# KiCad board CawDrive_panel.kicad_pcb
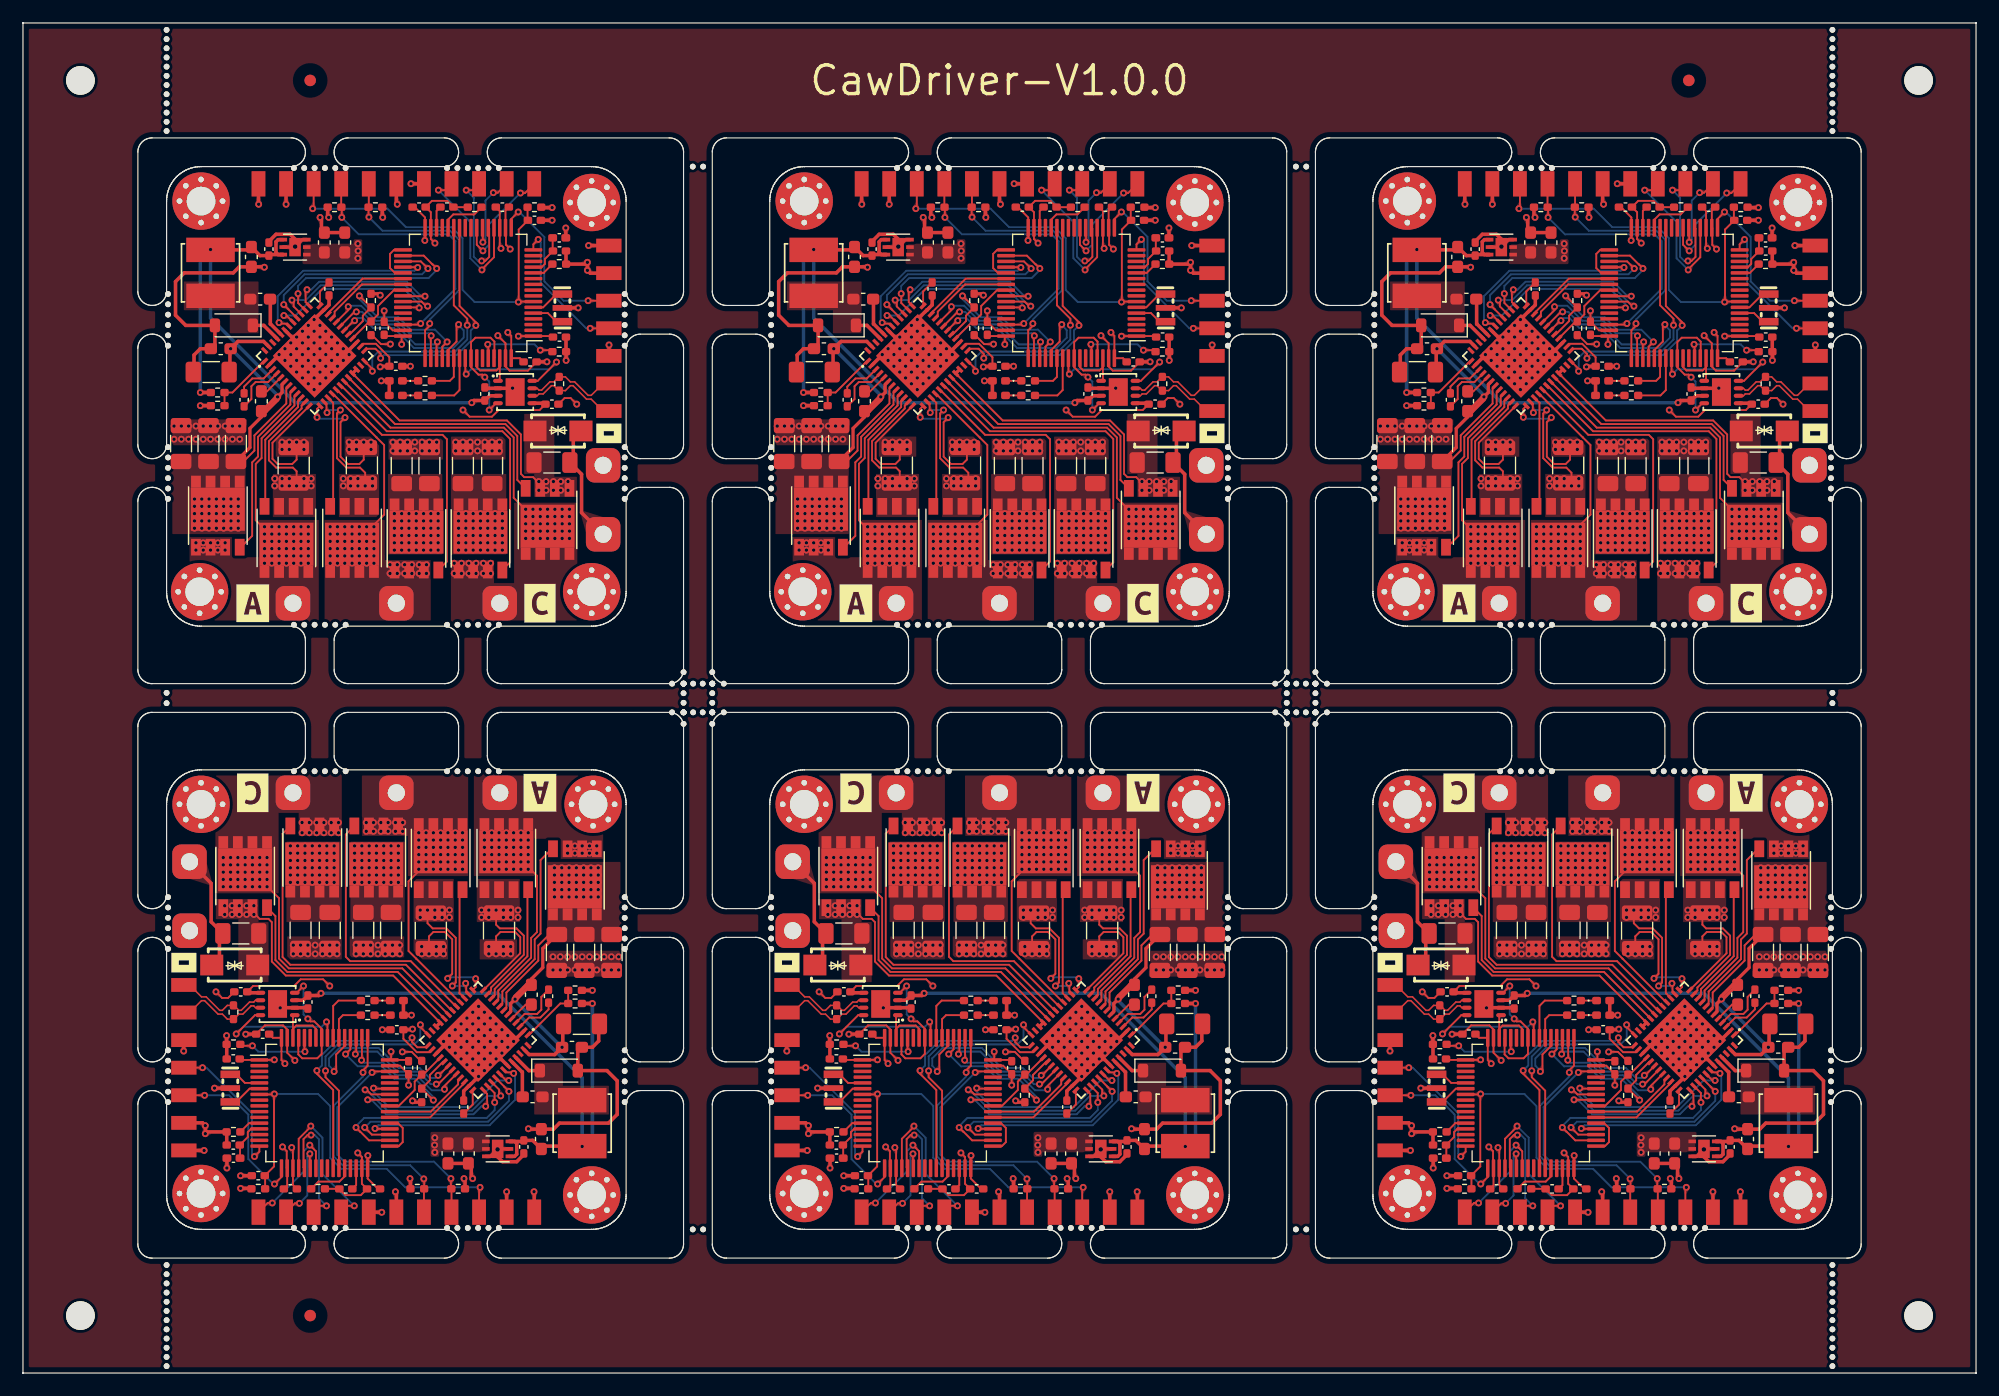
[diagram p0: board, top side]
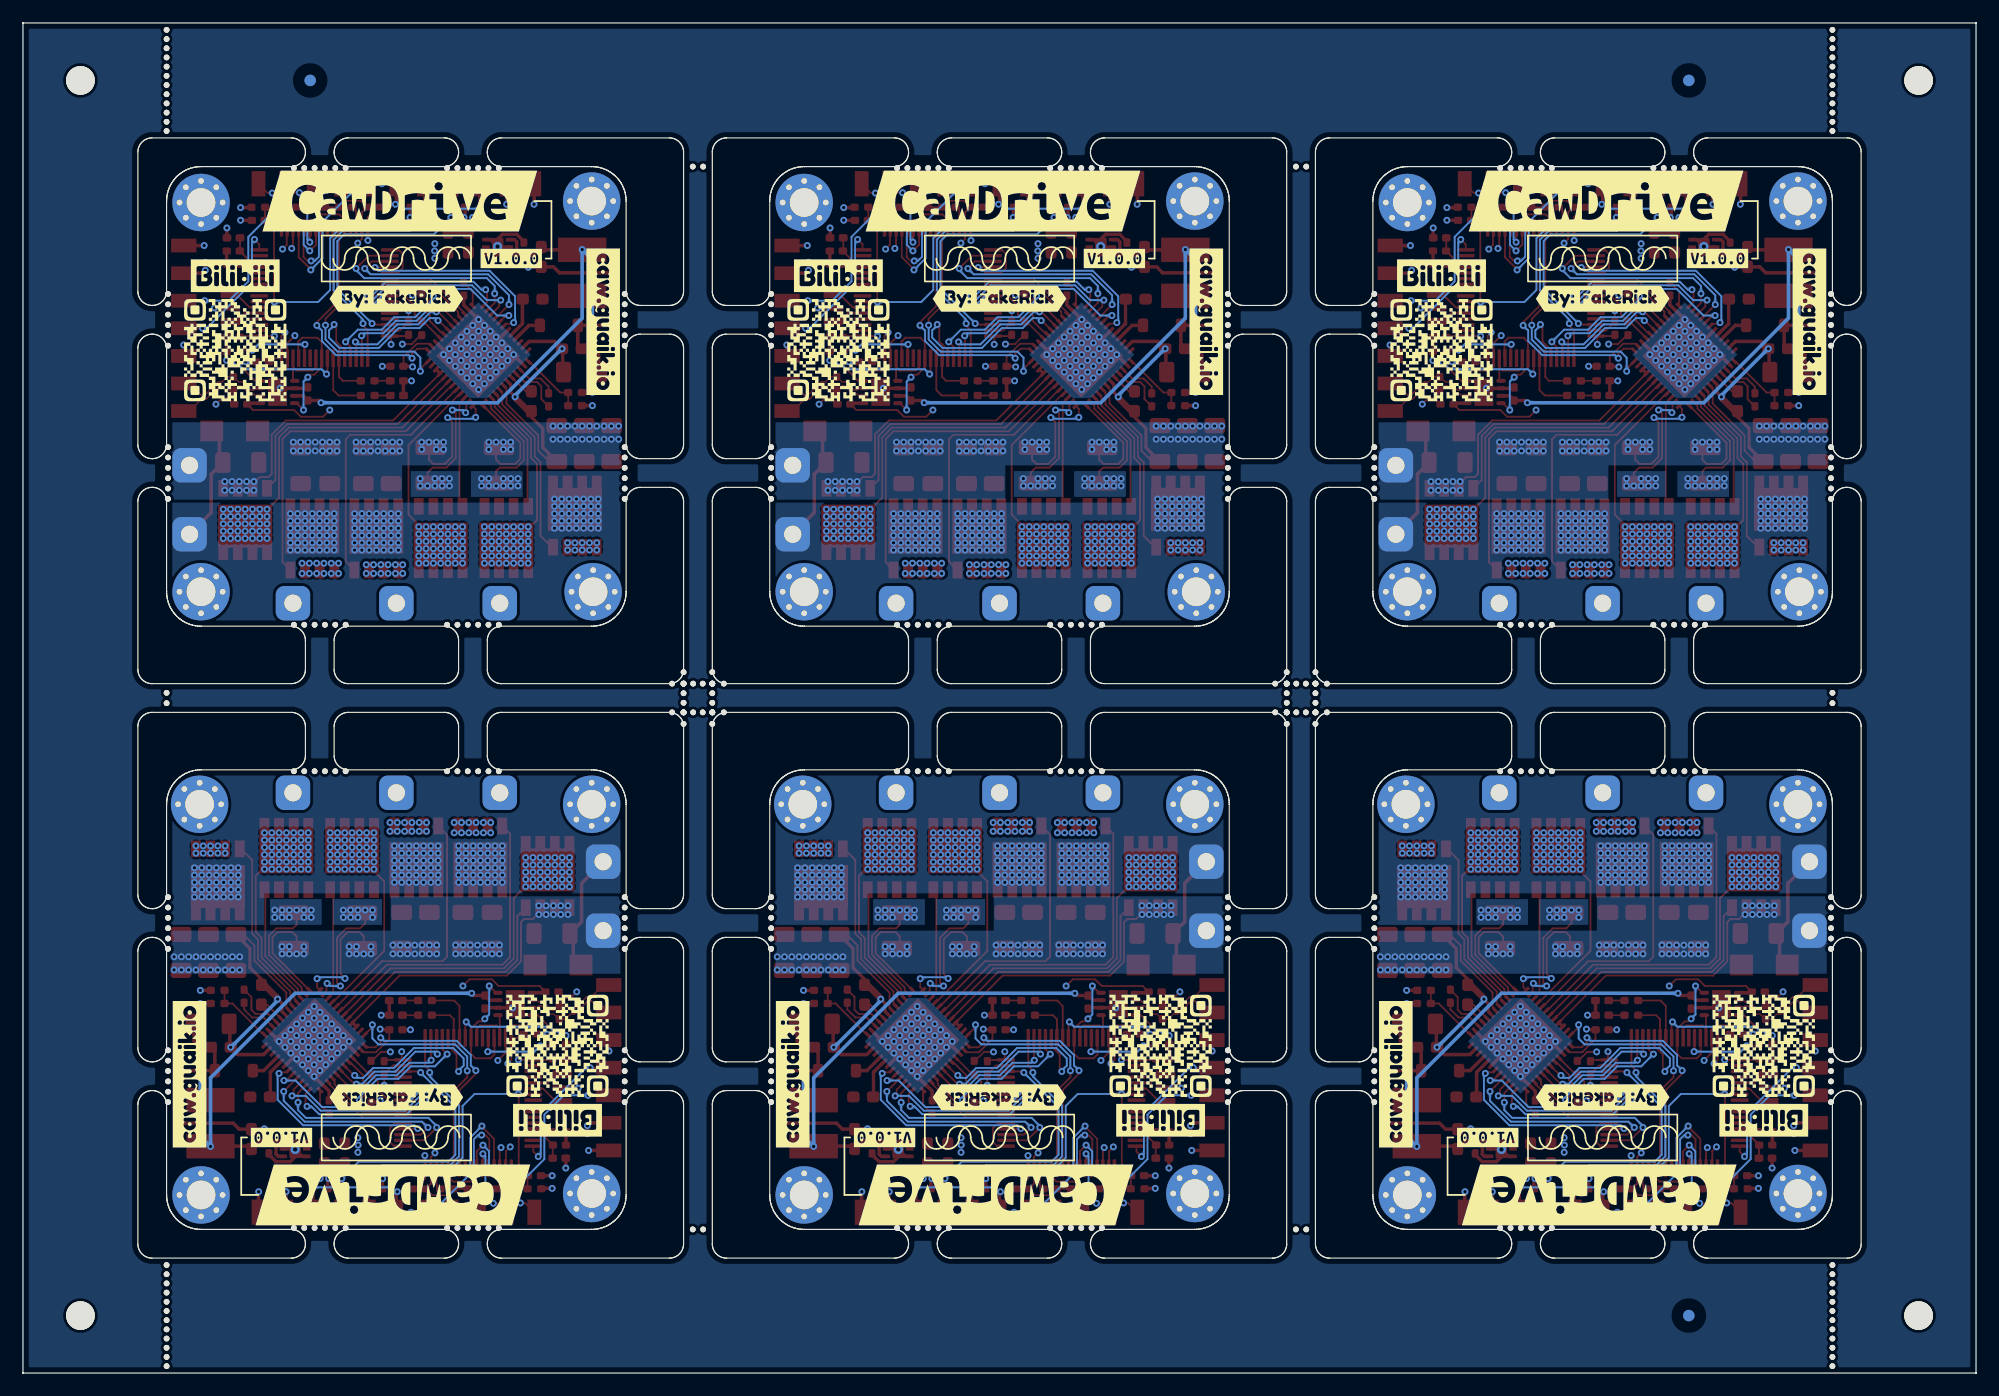
[diagram p1: board, bottom side, seen from below]

Outline 170 x 117.5 mm; copper layers: Top, In1.Cu, In2.Cu, Bottom. Coordinates in mm from the lower left corner of the outline.
Stack: Top 0.035mm / dielectric 0.1mm FR4 er 4.5 / In1.Cu 0.035mm / dielectric 1.24mm FR4 er 4.5 / In2.Cu 0.035mm / dielectric 0.1mm FR4 er 4.5 / Bottom 0.035mm

## Placement (name value [footprint] x y rotation side)
C1  2.2uF  [C_0402_1005Metric_Pad0.74x0.62mm_HandSolder]  141.9 101.48 0 top
C1#2  2.2uF  [C_0402_1005Metric_Pad0.74x0.62mm_HandSolder]  80.6 16.02 180 top
C1#3  2.2uF  [C_0402_1005Metric_Pad0.74x0.62mm_HandSolder]  133.1 16.02 180 top
C1#4  2.2uF  [C_0402_1005Metric_Pad0.74x0.62mm_HandSolder]  28.1 16.02 180 top
C1#5  2.2uF  [C_0402_1005Metric_Pad0.74x0.62mm_HandSolder]  89.4 101.48 0 top
C1#6  2.2uF  [C_0402_1005Metric_Pad0.74x0.62mm_HandSolder]  36.9 101.48 0 top
C2  0.1uF  [C_0402_1005Metric_Pad0.74x0.62mm_HandSolder]  46.7 90.16 0 top
C2#2  0.1uF  [C_0402_1005Metric_Pad0.74x0.62mm_HandSolder]  123.3 27.34 180 top
C2#3  0.1uF  [C_0402_1005Metric_Pad0.74x0.62mm_HandSolder]  18.3 27.34 180 top
C2#4  0.1uF  [C_0402_1005Metric_Pad0.74x0.62mm_HandSolder]  151.7 90.16 0 top
C2#5  0.1uF  [C_0402_1005Metric_Pad0.74x0.62mm_HandSolder]  99.2 90.16 0 top
C2#6  0.1uF  [C_0402_1005Metric_Pad0.74x0.62mm_HandSolder]  70.8 27.34 180 top
C3  0.1uF  [C_0402_1005Metric_Pad0.74x0.62mm_HandSolder]  41.72 101.48 0 top
C3#2  0.1uF  [C_0402_1005Metric_Pad0.74x0.62mm_HandSolder]  128.28 16.02 180 top
C3#3  0.1uF  [C_0402_1005Metric_Pad0.74x0.62mm_HandSolder]  94.22 101.48 0 top
C3#4  0.1uF  [C_0402_1005Metric_Pad0.74x0.62mm_HandSolder]  75.78 16.02 180 top
C3#5  0.1uF  [C_0402_1005Metric_Pad0.74x0.62mm_HandSolder]  23.28 16.02 180 top
C3#6  0.1uF  [C_0402_1005Metric_Pad0.74x0.62mm_HandSolder]  146.72 101.48 0 top
C4  0.1uF  [C_0402_1005Metric_Pad0.74x0.62mm_HandSolder]  86.99 101.48 0 top
C4#2  0.1uF  [C_0402_1005Metric_Pad0.74x0.62mm_HandSolder]  30.51 16.02 180 top
C4#3  0.1uF  [C_0402_1005Metric_Pad0.74x0.62mm_HandSolder]  139.49 101.48 0 top
C4#4  0.1uF  [C_0402_1005Metric_Pad0.74x0.62mm_HandSolder]  135.51 16.02 180 top
C4#5  0.1uF  [C_0402_1005Metric_Pad0.74x0.62mm_HandSolder]  34.49 101.48 0 top
C4#6  0.1uF  [C_0402_1005Metric_Pad0.74x0.62mm_HandSolder]  83.01 16.02 180 top
C5  0.1uF  [C_0402_1005Metric_Pad0.74x0.62mm_HandSolder]  86.06 26.57 270 top
C5#2  0.1uF  [C_0402_1005Metric_Pad0.74x0.62mm_HandSolder]  83.94 90.93 90 top
C5#3  0.1uF  [C_0402_1005Metric_Pad0.74x0.62mm_HandSolder]  136.44 90.93 90 top
C5#4  0.1uF  [C_0402_1005Metric_Pad0.74x0.62mm_HandSolder]  138.56 26.57 270 top
C5#5  0.1uF  [C_0402_1005Metric_Pad0.74x0.62mm_HandSolder]  31.44 90.93 90 top
C5#6  0.1uF  [C_0402_1005Metric_Pad0.74x0.62mm_HandSolder]  33.56 26.57 270 top
C6  0.1uF  [C_0402_1005Metric_Pad0.74x0.62mm_HandSolder]  44.14 88 0 top
C6#2  0.1uF  [C_0402_1005Metric_Pad0.74x0.62mm_HandSolder]  125.86 29.5 180 top
C6#3  0.1uF  [C_0402_1005Metric_Pad0.74x0.62mm_HandSolder]  73.36 29.5 180 top
C6#4  0.1uF  [C_0402_1005Metric_Pad0.74x0.62mm_HandSolder]  96.64 88 0 top
C6#5  0.1uF  [C_0402_1005Metric_Pad0.74x0.62mm_HandSolder]  149.14 88 0 top
C6#6  0.1uF  [C_0402_1005Metric_Pad0.74x0.62mm_HandSolder]  20.86 29.5 180 top
C7  1uF  [C_0402_1005Metric_Pad0.74x0.62mm_HandSolder]  21.41 97.82 90 top
C7#2  1uF  [C_0402_1005Metric_Pad0.74x0.62mm_HandSolder]  96.09 19.68 270 top
C7#3  1uF  [C_0402_1005Metric_Pad0.74x0.62mm_HandSolder]  126.41 97.82 90 top
C7#4  1uF  [C_0402_1005Metric_Pad0.74x0.62mm_HandSolder]  148.59 19.68 270 top
C7#5  1uF  [C_0402_1005Metric_Pad0.74x0.62mm_HandSolder]  73.91 97.82 90 top
C7#6  1uF  [C_0402_1005Metric_Pad0.74x0.62mm_HandSolder]  43.59 19.68 270 top
C8  0.1uF  [C_0402_1005Metric_Pad0.74x0.62mm_HandSolder]  151.7 97.66 0 top
C8#2  0.1uF  [C_0402_1005Metric_Pad0.74x0.62mm_HandSolder]  70.8 19.84 180 top
C8#3  0.1uF  [C_0402_1005Metric_Pad0.74x0.62mm_HandSolder]  46.7 97.66 0 top
C8#4  0.1uF  [C_0402_1005Metric_Pad0.74x0.62mm_HandSolder]  18.3 19.84 180 top
C8#5  0.1uF  [C_0402_1005Metric_Pad0.74x0.62mm_HandSolder]  99.2 97.66 0 top
C8#6  0.1uF  [C_0402_1005Metric_Pad0.74x0.62mm_HandSolder]  123.3 19.84 180 top
C9  0.1uF  [C_0402_1005Metric_Pad0.74x0.62mm_HandSolder]  151.04 84.32 180 top
C9#2  0.1uF  [C_0402_1005Metric_Pad0.74x0.62mm_HandSolder]  18.96 33.18 0 top
C9#3  0.1uF  [C_0402_1005Metric_Pad0.74x0.62mm_HandSolder]  71.46 33.18 0 top
C9#4  0.1uF  [C_0402_1005Metric_Pad0.74x0.62mm_HandSolder]  98.54 84.32 180 top
C9#5  0.1uF  [C_0402_1005Metric_Pad0.74x0.62mm_HandSolder]  46.04 84.32 180 top
C9#6  0.1uF  [C_0402_1005Metric_Pad0.74x0.62mm_HandSolder]  123.96 33.18 0 top
C12  0.1uF  [C_0402_1005Metric_Pad0.74x0.62mm_HandSolder]  129.8 32.29 90 top
C12#2  0.1uF  [C_0402_1005Metric_Pad0.74x0.62mm_HandSolder]  145.2 85.21 270 top
C12#3  0.1uF  [C_0402_1005Metric_Pad0.74x0.62mm_HandSolder]  40.2 85.21 270 top
C12#4  0.1uF  [C_0402_1005Metric_Pad0.74x0.62mm_HandSolder]  77.3 32.29 90 top
C12#5  0.1uF  [C_0402_1005Metric_Pad0.74x0.62mm_HandSolder]  92.7 85.21 270 top
C12#6  0.1uF  [C_0402_1005Metric_Pad0.74x0.62mm_HandSolder]  24.8 32.29 90 top
C14  0.1uF  [C_0402_1005Metric_Pad0.74x0.62mm_HandSolder]  44.52 100.32 0 top
C14#2  0.1uF  [C_0402_1005Metric_Pad0.74x0.62mm_HandSolder]  149.52 100.32 0 top
C14#3  0.1uF  [C_0402_1005Metric_Pad0.74x0.62mm_HandSolder]  72.98 17.18 180 top
C14#4  0.1uF  [C_0402_1005Metric_Pad0.74x0.62mm_HandSolder]  97.02 100.32 0 top
C14#5  0.1uF  [C_0402_1005Metric_Pad0.74x0.62mm_HandSolder]  125.48 17.18 180 top
C14#6  0.1uF  [C_0402_1005Metric_Pad0.74x0.62mm_HandSolder]  20.48 17.18 180 top
C15  0.1uF/50V  [C_0603_1608Metric_Pad1.08x0.95mm_HandSolder]  96.86 24.03 0 top
C15#2  0.1uF/50V  [C_0603_1608Metric_Pad1.08x0.95mm_HandSolder]  125.64 93.47 180 top
C15#3  0.1uF/50V  [C_0603_1608Metric_Pad1.08x0.95mm_HandSolder]  73.14 93.47 180 top
C15#4  0.1uF/50V  [C_0603_1608Metric_Pad1.08x0.95mm_HandSolder]  149.36 24.03 0 top
C15#5  0.1uF/50V  [C_0603_1608Metric_Pad1.08x0.95mm_HandSolder]  44.36 24.03 0 top
C15#6  0.1uF/50V  [C_0603_1608Metric_Pad1.08x0.95mm_HandSolder]  20.64 93.47 180 top
C16  22uF  [C_0603_1608Metric_Pad1.08x0.95mm_HandSolder]  124.88 97.14 270 top
C16#2  22uF  [C_0603_1608Metric_Pad1.08x0.95mm_HandSolder]  150.12 20.36 90 top
C16#3  22uF  [C_0603_1608Metric_Pad1.08x0.95mm_HandSolder]  97.62 20.36 90 top
C16#4  22uF  [C_0603_1608Metric_Pad1.08x0.95mm_HandSolder]  19.88 97.14 270 top
C16#5  22uF  [C_0603_1608Metric_Pad1.08x0.95mm_HandSolder]  45.12 20.36 90 top
C16#6  22uF  [C_0603_1608Metric_Pad1.08x0.95mm_HandSolder]  72.38 97.14 270 top
C20  10uF/50V  [C_1206_3216Metric_Pad1.33x1.80mm_HandSolder]  151.47 36.61 270 top
C20#2  10uF/50V  [C_1206_3216Metric_Pad1.33x1.80mm_HandSolder]  18.53 80.89 90 top
C20#3  10uF/50V  [C_1206_3216Metric_Pad1.33x1.80mm_HandSolder]  71.03 80.89 90 top
C20#4  10uF/50V  [C_1206_3216Metric_Pad1.33x1.80mm_HandSolder]  46.47 36.61 270 top
C20#5  10uF/50V  [C_1206_3216Metric_Pad1.33x1.80mm_HandSolder]  123.53 80.89 90 top
C20#6  10uF/50V  [C_1206_3216Metric_Pad1.33x1.80mm_HandSolder]  98.97 36.61 270 top
C21  10uF/50V  [C_1206_3216Metric_Pad1.33x1.80mm_HandSolder]  121.15 80.89 90 top
C21#2  10uF/50V  [C_1206_3216Metric_Pad1.33x1.80mm_HandSolder]  101.35 36.61 270 top
C21#3  10uF/50V  [C_1206_3216Metric_Pad1.33x1.80mm_HandSolder]  153.85 36.61 270 top
C21#4  10uF/50V  [C_1206_3216Metric_Pad1.33x1.80mm_HandSolder]  68.65 80.89 90 top
C21#5  10uF/50V  [C_1206_3216Metric_Pad1.33x1.80mm_HandSolder]  48.85 36.61 270 top
C21#6  10uF/50V  [C_1206_3216Metric_Pad1.33x1.80mm_HandSolder]  16.15 80.89 90 top
C22  10uF/50V  [C_1206_3216Metric_Pad1.33x1.80mm_HandSolder]  51.24 36.61 270 top
C22#2  10uF/50V  [C_1206_3216Metric_Pad1.33x1.80mm_HandSolder]  13.76 80.89 90 top
C22#3  10uF/50V  [C_1206_3216Metric_Pad1.33x1.80mm_HandSolder]  156.24 36.61 270 top
C22#4  10uF/50V  [C_1206_3216Metric_Pad1.33x1.80mm_HandSolder]  103.74 36.61 270 top
C22#5  10uF/50V  [C_1206_3216Metric_Pad1.33x1.80mm_HandSolder]  66.26 80.89 90 top
C22#6  10uF/50V  [C_1206_3216Metric_Pad1.33x1.80mm_HandSolder]  118.76 80.89 90 top
C23  10uF/50V  [C_1206_3216Metric_Pad1.33x1.80mm_HandSolder]  84.54 38.53 270 top
C23#2  10uF/50V  [C_1206_3216Metric_Pad1.33x1.80mm_HandSolder]  85.46 78.97 90 top
C23#3  10uF/50V  [C_1206_3216Metric_Pad1.33x1.80mm_HandSolder]  137.04 38.53 270 top
C23#4  10uF/50V  [C_1206_3216Metric_Pad1.33x1.80mm_HandSolder]  32.96 78.97 90 top
C23#5  10uF/50V  [C_1206_3216Metric_Pad1.33x1.80mm_HandSolder]  137.96 78.97 90 top
C23#6  10uF/50V  [C_1206_3216Metric_Pad1.33x1.80mm_HandSolder]  32.04 38.53 270 top
C24  10uF/50V  [C_1206_3216Metric_Pad1.33x1.80mm_HandSolder]  87.88 78.97 90 top
C24#2  10uF/50V  [C_1206_3216Metric_Pad1.33x1.80mm_HandSolder]  134.62 38.53 270 top
C24#3  10uF/50V  [C_1206_3216Metric_Pad1.33x1.80mm_HandSolder]  140.38 78.97 90 top
C24#4  10uF/50V  [C_1206_3216Metric_Pad1.33x1.80mm_HandSolder]  82.12 38.53 270 top
C24#5  10uF/50V  [C_1206_3216Metric_Pad1.33x1.80mm_HandSolder]  35.38 78.97 90 top
C24#6  10uF/50V  [C_1206_3216Metric_Pad1.33x1.80mm_HandSolder]  29.62 38.53 270 top
C25  10uF/50V  [C_1206_3216Metric_Pad1.33x1.80mm_HandSolder]  26.7 38.53 270 top
C25#2  10uF/50V  [C_1206_3216Metric_Pad1.33x1.80mm_HandSolder]  90.8 78.97 90 top
C25#3  10uF/50V  [C_1206_3216Metric_Pad1.33x1.80mm_HandSolder]  38.3 78.97 90 top
C25#4  10uF/50V  [C_1206_3216Metric_Pad1.33x1.80mm_HandSolder]  131.7 38.53 270 top
C25#5  10uF/50V  [C_1206_3216Metric_Pad1.33x1.80mm_HandSolder]  79.2 38.53 270 top
C25#6  10uF/50V  [C_1206_3216Metric_Pad1.33x1.80mm_HandSolder]  143.3 78.97 90 top
C26  10uF/50V  [C_1206_3216Metric_Pad1.33x1.80mm_HandSolder]  145.84 78.97 90 top
C26#2  10uF/50V  [C_1206_3216Metric_Pad1.33x1.80mm_HandSolder]  93.34 78.97 90 top
C26#3  10uF/50V  [C_1206_3216Metric_Pad1.33x1.80mm_HandSolder]  24.16 38.53 270 top
C26#4  10uF/50V  [C_1206_3216Metric_Pad1.33x1.80mm_HandSolder]  76.66 38.53 270 top
C26#5  10uF/50V  [C_1206_3216Metric_Pad1.33x1.80mm_HandSolder]  129.16 38.53 270 top
C26#6  10uF/50V  [C_1206_3216Metric_Pad1.33x1.80mm_HandSolder]  40.84 78.97 90 top
C27  47nF/50V  [C_0402_1005Metric_Pad0.74x0.62mm_HandSolder]  98.25 32.8 90 top
C27#2  47nF/50V  [C_0402_1005Metric_Pad0.74x0.62mm_HandSolder]  45.75 32.8 90 top
C27#3  47nF/50V  [C_0402_1005Metric_Pad0.74x0.62mm_HandSolder]  71.75 84.7 270 top
C27#4  47nF/50V  [C_0402_1005Metric_Pad0.74x0.62mm_HandSolder]  124.25 84.7 270 top
C27#5  47nF/50V  [C_0402_1005Metric_Pad0.74x0.62mm_HandSolder]  19.25 84.7 270 top
C27#6  47nF/50V  [C_0402_1005Metric_Pad0.74x0.62mm_HandSolder]  150.75 32.8 90 top
C28  1uF/50V  [C_0603_1608Metric_Pad1.08x0.95mm_HandSolder]  44.25 32.92 270 top
C28#2  1uF/50V  [C_0603_1608Metric_Pad1.08x0.95mm_HandSolder]  125.75 84.58 90 top
C28#3  1uF/50V  [C_0603_1608Metric_Pad1.08x0.95mm_HandSolder]  149.25 32.92 270 top
C28#4  1uF/50V  [C_0603_1608Metric_Pad1.08x0.95mm_HandSolder]  96.75 32.92 270 top
C28#5  1uF/50V  [C_0603_1608Metric_Pad1.08x0.95mm_HandSolder]  73.25 84.58 90 top
C28#6  1uF/50V  [C_0603_1608Metric_Pad1.08x0.95mm_HandSolder]  20.75 84.58 90 top
C29  10uF/50V  [C_1206_3216Metric_Pad1.33x1.80mm_HandSolder]  71.46 38.26 0 top
C29#2  10uF/50V  [C_1206_3216Metric_Pad1.33x1.80mm_HandSolder]  123.96 38.26 0 top
C29#3  10uF/50V  [C_1206_3216Metric_Pad1.33x1.80mm_HandSolder]  18.96 38.26 0 top
C29#4  10uF/50V  [C_1206_3216Metric_Pad1.33x1.80mm_HandSolder]  46.04 79.24 180 top
C29#5  10uF/50V  [C_1206_3216Metric_Pad1.33x1.80mm_HandSolder]  98.54 79.24 180 top
C29#6  10uF/50V  [C_1206_3216Metric_Pad1.33x1.80mm_HandSolder]  151.04 79.24 180 top
C30  0.1uF/50V  [C_1206_3216Metric_Pad1.33x1.80mm_HandSolder]  16.38 87.12 180 top
C30#2  0.1uF/50V  [C_1206_3216Metric_Pad1.33x1.80mm_HandSolder]  153.62 30.38 0 top
C30#3  0.1uF/50V  [C_1206_3216Metric_Pad1.33x1.80mm_HandSolder]  101.12 30.38 0 top
C30#4  0.1uF/50V  [C_1206_3216Metric_Pad1.33x1.80mm_HandSolder]  48.62 30.38 0 top
C30#5  0.1uF/50V  [C_1206_3216Metric_Pad1.33x1.80mm_HandSolder]  121.38 87.12 180 top
C30#6  0.1uF/50V  [C_1206_3216Metric_Pad1.33x1.80mm_HandSolder]  68.88 87.12 180 top
C31  1uF  [C_0402_1005Metric_Pad0.74x0.62mm_HandSolder]  90.86 23.15 90 top
C31#2  1uF  [C_0402_1005Metric_Pad0.74x0.62mm_HandSolder]  38.36 23.15 90 top
C31#3  1uF  [C_0402_1005Metric_Pad0.74x0.62mm_HandSolder]  131.64 94.35 270 top
C31#4  1uF  [C_0402_1005Metric_Pad0.74x0.62mm_HandSolder]  26.64 94.35 270 top
C31#5  1uF  [C_0402_1005Metric_Pad0.74x0.62mm_HandSolder]  79.14 94.35 270 top
C31#6  1uF  [C_0402_1005Metric_Pad0.74x0.62mm_HandSolder]  143.36 23.15 90 top
C32  1uF  [C_0402_1005Metric_Pad0.74x0.62mm_HandSolder]  84.95 87.62 0 top
C32#2  1uF  [C_0402_1005Metric_Pad0.74x0.62mm_HandSolder]  137.45 87.62 0 top
C32#3  1uF  [C_0402_1005Metric_Pad0.74x0.62mm_HandSolder]  32.45 87.62 0 top
C32#4  1uF  [C_0402_1005Metric_Pad0.74x0.62mm_HandSolder]  85.05 29.88 180 top
C32#5  1uF  [C_0402_1005Metric_Pad0.74x0.62mm_HandSolder]  32.55 29.88 180 top
C32#6  1uF  [C_0402_1005Metric_Pad0.74x0.62mm_HandSolder]  137.55 29.88 180 top
C33  0.1uF/50V  [C_0603_1608Metric_Pad1.08x0.95mm_HandSolder]  17.21 89.15 180 top
C33#2  0.1uF/50V  [C_0603_1608Metric_Pad1.08x0.95mm_HandSolder]  47.79 28.35 0 top
C33#3  0.1uF/50V  [C_0603_1608Metric_Pad1.08x0.95mm_HandSolder]  69.71 89.15 180 top
C33#4  0.1uF/50V  [C_0603_1608Metric_Pad1.08x0.95mm_HandSolder]  100.29 28.35 0 top
C33#5  0.1uF/50V  [C_0603_1608Metric_Pad1.08x0.95mm_HandSolder]  122.21 89.15 180 top
C33#6  0.1uF/50V  [C_0603_1608Metric_Pad1.08x0.95mm_HandSolder]  152.79 28.35 0 top
C34  22uF  [C_0603_1608Metric_Pad1.08x0.95mm_HandSolder]  131.23 98.39 90 top
C34#2  22uF  [C_0603_1608Metric_Pad1.08x0.95mm_HandSolder]  26.23 98.39 90 top
C34#3  22uF  [C_0603_1608Metric_Pad1.08x0.95mm_HandSolder]  38.77 19.11 270 top
C34#4  22uF  [C_0603_1608Metric_Pad1.08x0.95mm_HandSolder]  143.77 19.11 270 top
C34#5  22uF  [C_0603_1608Metric_Pad1.08x0.95mm_HandSolder]  91.27 19.11 270 top
C34#6  22uF  [C_0603_1608Metric_Pad1.08x0.95mm_HandSolder]  78.73 98.39 90 top
C35  22uF  [C_0603_1608Metric_Pad1.08x0.95mm_HandSolder]  89.49 19.11 270 top
C35#2  22uF  [C_0603_1608Metric_Pad1.08x0.95mm_HandSolder]  141.99 19.11 270 top
C35#3  22uF  [C_0603_1608Metric_Pad1.08x0.95mm_HandSolder]  80.51 98.39 90 top
C35#4  22uF  [C_0603_1608Metric_Pad1.08x0.95mm_HandSolder]  28.01 98.39 90 top
C35#5  22uF  [C_0603_1608Metric_Pad1.08x0.95mm_HandSolder]  36.99 19.11 270 top
C35#6  22uF  [C_0603_1608Metric_Pad1.08x0.95mm_HandSolder]  133.01 98.39 90 top
D1  MCU_STA_LED  [LED_0402_1005Metric_Pad0.77x0.64mm_HandSolder]  137.45 86.35 180 top
D1#2  MCU_STA_LED  [LED_0402_1005Metric_Pad0.77x0.64mm_HandSolder]  32.45 86.35 180 top
D1#3  MCU_STA_LED  [LED_0402_1005Metric_Pad0.77x0.64mm_HandSolder]  32.55 31.15 0 top
D1#4  MCU_STA_LED  [LED_0402_1005Metric_Pad0.77x0.64mm_HandSolder]  85.05 31.15 0 top
D1#5  MCU_STA_LED  [LED_0402_1005Metric_Pad0.77x0.64mm_HandSolder]  84.95 86.35 180 top
D1#6  MCU_STA_LED  [LED_0402_1005Metric_Pad0.77x0.64mm_HandSolder]  137.55 31.15 0 top
D2  DRV_STA_LED  [LED_0402_1005Metric_Pad0.77x0.64mm_HandSolder]  137.45 85.08 180 top
D2#2  DRV_STA_LED  [LED_0402_1005Metric_Pad0.77x0.64mm_HandSolder]  84.95 85.08 180 top
D2#3  DRV_STA_LED  [LED_0402_1005Metric_Pad0.77x0.64mm_HandSolder]  32.55 32.42 0 top
D2#4  DRV_STA_LED  [LED_0402_1005Metric_Pad0.77x0.64mm_HandSolder]  85.05 32.42 0 top
D2#5  DRV_STA_LED  [LED_0402_1005Metric_Pad0.77x0.64mm_HandSolder]  32.45 85.08 180 top
D2#6  DRV_STA_LED  [LED_0402_1005Metric_Pad0.77x0.64mm_HandSolder]  137.55 32.42 0 top
D3  D_Schottky_Small  [D_SOD-123]  46.64 26.32 0 top
D3#2  D_Schottky_Small  [D_SOD-123]  99.14 26.32 0 top
D3#3  D_Schottky_Small  [D_SOD-123]  151.64 26.32 0 top
D3#4  D_Schottky_Small  [D_SOD-123]  123.36 91.18 180 top
D3#5  D_Schottky_Small  [D_SOD-123]  70.86 91.18 180 top
D3#6  D_Schottky_Small  [D_SOD-123]  18.36 91.18 180 top
G***  LOGO  [bilibili_10x10]  151.5 89 180 bottom
G***#2  LOGO  [bilibili_10x10]  46.5 89 180 bottom
G***#3  LOGO  [bilibili_10x10]  123.5 28.5 0 bottom
G***#4  LOGO  [bilibili_10x10]  18.5 28.5 0 bottom
G***#5  LOGO  [bilibili_10x10]  71 28.5 0 bottom
G***#6  LOGO  [bilibili_10x10]  99 89 180 bottom
H1  MountingHole_Pad  [MountingHole_2.5mm_Pad_Via]  120.5 102 0 top
H1#2  MountingHole_Pad  [MountingHole_2.5mm_Pad_Via]  49.5 15.5 180 top
H1#3  MountingHole_Pad  [MountingHole_2.5mm_Pad_Via]  102 15.5 180 top
H1#4  MountingHole_Pad  [MountingHole_2.5mm_Pad_Via]  68 102 0 top
H1#5  MountingHole_Pad  [MountingHole_2.5mm_Pad_Via]  154.5 15.5 180 top
H1#6  MountingHole_Pad  [MountingHole_2.5mm_Pad_Via]  15.5 102 0 top
H2  MountingHole_Pad  [MountingHole_2.5mm_Pad_Via]  120.5 15.62 180 top
H2#2  MountingHole_Pad  [MountingHole_2.5mm_Pad_Via]  15.5 15.62 180 top
H2#3  MountingHole_Pad  [MountingHole_2.5mm_Pad_Via]  102 101.88 0 top
H2#4  MountingHole_Pad  [MountingHole_2.5mm_Pad_Via]  49.5 101.88 0 top
H2#5  MountingHole_Pad  [MountingHole_2.5mm_Pad_Via]  68 15.62 180 top
H2#6  MountingHole_Pad  [MountingHole_2.5mm_Pad_Via]  154.5 101.88 0 top
H3  MountingHole_Pad  [MountingHole_2.5mm_Pad_Via]  68 49.5 180 top
H3#2  MountingHole_Pad  [MountingHole_2.5mm_Pad_Via]  120.5 49.5 180 top
H3#3  MountingHole_Pad  [MountingHole_2.5mm_Pad_Via]  15.5 49.5 180 top
H3#4  MountingHole_Pad  [MountingHole_2.5mm_Pad_Via]  154.5 68 0 top
H3#5  MountingHole_Pad  [MountingHole_2.5mm_Pad_Via]  102 68 0 top
H3#6  MountingHole_Pad  [MountingHole_2.5mm_Pad_Via]  49.5 68 0 top
H4  MountingHole_Pad  [MountingHole_2.5mm_Pad_Via]  102.12 49.5 180 top
H4#2  MountingHole_Pad  [MountingHole_2.5mm_Pad_Via]  49.62 49.5 180 top
H4#3  MountingHole_Pad  [MountingHole_2.5mm_Pad_Via]  15.38 68 0 top
H4#4  MountingHole_Pad  [MountingHole_2.5mm_Pad_Via]  120.38 68 0 top
H4#5  MountingHole_Pad  [MountingHole_2.5mm_Pad_Via]  154.62 49.5 180 top
H4#6  MountingHole_Pad  [MountingHole_2.5mm_Pad_Via]  67.88 68 0 top
H5  MountingHole_Pad  [POWER_PAD]  128.5 67 0 top
H5#2  MountingHole_Pad  [POWER_PAD]  76 67 0 top
H5#3  MountingHole_Pad  [POWER_PAD]  23.5 67 0 top
H5#4  MountingHole_Pad  [POWER_PAD]  146.5 50.5 180 top
H5#5  MountingHole_Pad  [POWER_PAD]  41.5 50.5 180 top
H5#6  MountingHole_Pad  [POWER_PAD]  94 50.5 180 top
H6  MountingHole_Pad  [POWER_PAD]  85 50.5 180 top
H6#2  MountingHole_Pad  [POWER_PAD]  32.5 67 0 top
H6#3  MountingHole_Pad  [POWER_PAD]  137.5 50.5 180 top
H6#4  MountingHole_Pad  [POWER_PAD]  137.5 67 0 top
H6#5  MountingHole_Pad  [POWER_PAD]  32.5 50.5 180 top
H6#6  MountingHole_Pad  [POWER_PAD]  85 67 0 top
H7  MountingHole_Pad  [POWER_PAD]  146.5 67 0 top
H7#2  MountingHole_Pad  [POWER_PAD]  94 67 0 top
H7#3  MountingHole_Pad  [POWER_PAD]  76 50.5 180 top
H7#4  MountingHole_Pad  [POWER_PAD]  128.5 50.5 180 top
H7#5  MountingHole_Pad  [POWER_PAD]  41.5 67 0 top
H7#6  MountingHole_Pad  [POWER_PAD]  23.5 50.5 180 top
H8  MountingHole_Pad  [POWER_PAD]  119.5 38.5 180 top
H8#2  MountingHole_Pad  [POWER_PAD]  155.5 79 0 top
H8#3  MountingHole_Pad  [POWER_PAD]  50.5 79 0 top
H8#4  MountingHole_Pad  [POWER_PAD]  103 79 0 top
H8#5  MountingHole_Pad  [POWER_PAD]  14.5 38.5 180 top
H8#6  MountingHole_Pad  [POWER_PAD]  67 38.5 180 top
H9  MountingHole_Pad  [POWER_PAD]  14.5 44.5 180 top
H9#2  MountingHole_Pad  [POWER_PAD]  119.5 44.5 180 top
H9#3  MountingHole_Pad  [POWER_PAD]  67 44.5 180 top
H9#4  MountingHole_Pad  [POWER_PAD]  50.5 73 0 top
H9#5  MountingHole_Pad  [POWER_PAD]  103 73 0 top
H9#6  MountingHole_Pad  [POWER_PAD]  155.5 73 0 top
J1  Conn_01x11_Pin  [SOIC-11]  137.5 14 180 top
J1#2  Conn_01x11_Pin  [SOIC-11]  137.5 103.5 0 top
J1#3  Conn_01x11_Pin  [SOIC-11]  85 14 180 top
J1#4  Conn_01x11_Pin  [SOIC-11]  85 103.5 0 top
J1#5  Conn_01x11_Pin  [SOIC-11]  32.5 14 180 top
J1#6  Conn_01x11_Pin  [SOIC-11]  32.5 103.5 0 top
J4  Conn_01x07_Pin  [SOIC-7]  103.5 90.93 270 top
J4#2  Conn_01x07_Pin  [SOIC-7]  14 26.57 90 top